# Allegro board S071AA-0413-20260427_Power3.brd (continued)
## Routing (per net, layer and track width the routed paths; a pad name or vN(x,y) marks a point on that pad's centre or on a via; arc(x,y) is an arc through that point) (continued)
200.12,76.2 ; D102.A16 200.93,75.39 ; D102.A16 201.74,76.2 ; 55.34,340.36 CSDPS429.C1 ; CSDPS429.C1 56.15,341.17 ; CSDPS429.C1 56.15,339.55 ; CSDPS429.C1 56.96,340.36 ; 162.02,93.98 D101.A1 ; D101.A1 162.83,93.17 ; D101.A1 162.83,94.79 ; D101.A1 163.64,93.98 ; 32.48,368.3 D231.B10 ; D231.B10 34.1,368.3 ; D231.B10 33.29,369.11 ; D231.B10 33.29,367.49 ; D111.A8 259.35,374.19 ; D111.A8 260.16,373.38 ; D111.A8 258.54,373.38 ; D111.A8 259.35,372.57 ; D121.B6 101.87,102.41 ; D121.B6 101.06,101.6 ; D121.B6 101.87,100.79 ; D121.B6 102.68,101.6 ; D111.B14 244.11,369.11 ; D111.B14 244.92,368.3 ; D111.B14 244.11,367.49 ; D111.B14 243.3,368.3 ; D122.B3 95.06,78.74 ; D122.B3 94.25,77.93 ; D122.B3 94.25,79.55 ; D122.B3 93.44,78.74 ; D110.B13 247.46,350.52 ; D110.B13 245.84,350.52 ; D110.B13 246.65,351.33 ; D110.B13 246.65,349.71 ; 53.61,55.07 D119.A16 ; D119.A16 53.61,56.69 ; D119.A16 52.8,55.88 ; D119.A16 54.42,55.88 ; D116.B8 185.69,389.43 ; D116.B8 184.88,388.62 ; D116.B8 186.5,388.62 ; D116.B8 185.69,387.81 ; 28.21,331.93 CSDPS229.B12 ; CSDPS229.B12 28.21,333.55 ; CSDPS229.B12 29.02,332.74 ; CSDPS229.B12 27.4,332.74 ; 90.9,393.7 D228.A16 ; D228.A16 91.71,392.89 ; D228.A16 91.71,394.51 ; D228.A16 92.52,393.7 ; D116.A12 175.53,394.51 ; D116.A12 174.72,393.7 ; D116.A12 175.53,392.89 ; D116.A12 176.34,393.7 ; 45.87,358.45 UHC430.G2_12 ; UHC430.G2_12 46.68,359.26 ; UHC430.G2_12 47.49,358.45 ; UHC430.G2_12 46.68,357.64 ; 28.21,100.79 D117.B6 ; D117.B6 29.02,101.6 ; D117.B6 27.4,101.6 ; D117.B6 28.21,102.41 ; 126.46,35.56 D124.A16 ; D124.A16 128.08,35.56 ; D124.A16 127.27,34.75 ; D124.A16 127.27,36.37 ; 271.24,16.51 DPS1.B15 ; DPS1.B15 272.05,15.7 ; DPS1.B15 272.05,17.32 ; DPS1.B15 272.86,16.51 ; D103.A9 183.15,54.15 ; D103.A9 182.34,53.34 ; D103.A9 183.96,53.34 ; D103.A9 183.15,52.53 ; D104.A3 168.72,33.02 ; D104.A3 167.1,33.02 ; D104.A3 167.91,32.21 ; D104.A3 167.91,33.83 ; D104.A14 195.85,36.37 ; D104.A14 195.85,34.75 ; D104.A14 196.66,35.56 ; D104.A14 195.04,35.56 ; CSDPS226.B10 107.76,353.06 ; CSDPS226.B10 106.95,352.25 ; CSDPS226.B10 106.14,353.06 ; CSDPS226.B10 106.95,353.87 ; 177.26,78.74 D102.B7 ; D102.B7 178.88,78.74 ; D102.B7 178.07,79.55 ; D102.B7 178.07,77.93 ; 51.07,395.43 D232.A3 ; D232.A3 51.07,397.05 ; D232.A3 51.88,396.24 ; D232.A3 50.26,396.24 ; 114.57,359.87 CSDPS426.C7 ; CSDPS426.C7 114.57,361.49 ; CSDPS426.C7 113.76,360.68 ; CSDPS426.C7 115.38,360.68 ; D118.B3 20.59,79.55 ; D118.B3 20.59,77.93 ; D118.B3 21.4,78.74 ; D118.B3 19.78,78.74 ; D124.A14 123,35.56 ; D124.A14 122.19,36.37 ; D124.A14 121.38,35.56 ; D124.A14 122.19,34.75 ; D115.A13 173.8,375.92 ; D115.A13 172.99,375.11 ; D115.A13 172.18,375.92 ; D115.A13 172.99,376.73 ; CSDPS226.B2 128.08,353.06 ; CSDPS226.B2 126.46,353.06 ; CSDPS226.B2 127.27,352.25 ; CSDPS226.B2 127.27,353.87 ; D232.B12 28.21,389.43 ; D232.B12 27.4,388.62 ; D232.B12 28.21,387.81 ; D232.B12 29.02,388.62 ; D123.A10 112.03,56.69 ; D123.A10 112.84,55.88 ; D123.A10 112.03,55.07 ; D123.A10 111.22,55.88 ; D110.A8 260.16,353.06 ; D110.A8 259.35,353.87 ; D110.A8 259.35,352.25 ; D110.A8 258.54,353.06 ; D121.A15 125.54,93.98 ; D121.A15 124.73,94.79 ; D121.A15 123.92,93.98 ; D121.A15 124.73,93.17 ; 190.77,39.83 D104.B12 ; D104.B12 191.58,40.64 ; D104.B12 190.77,41.45 ; D104.B12 189.96,40.64 ; D118.B4 23.13,82.09 ; D118.B4 22.32,81.28 ; D118.B4 23.13,80.47 ; D118.B4 23.94,81.28 ; D117.A2 18.05,97.33 ; D117.A2 18.05,95.71 ; D117.A2 18.86,96.52 ; D117.A2 17.24,96.52 ; 274.59,80.47 D106.B16 ; D106.B16 273.78,81.28 ; D106.B16 275.4,81.28 ; D106.B16 274.59,82.09 ; D103.B6 176.34,60.96 ; D103.B6 175.53,61.77 ; D103.B6 174.72,60.96 ; D103.B6 175.53,60.15 ; D427.A11 104.41,386.89 ; D427.A11 104.41,385.27 ; D427.A11 105.22,386.08 ; D427.A11 103.6,386.08 ; D114.A5 193.31,356.41 ; D114.A5 194.12,355.6 ; D114.A5 192.5,355.6 ; D114.A5 193.31,354.79 ; D118.B15 51.88,78.74 ; D118.B15 51.07,79.55 ; D118.B15 50.26,78.74 ; D118.B15 51.07,77.93 ; 16.07,355.29 UHC230.G4_2 ; UHC230.G4_2 16.88,354.48 ; UHC230.G4_2 16.88,356.1 ; UHC230.G4_2 17.69,355.29 ; 35.02,78.74 D118.B9 ; D118.B9 35.83,77.93 ; D118.B9 36.64,78.74 ; D118.B9 35.83,79.55 ; D106.A15 272.05,74.47 ; D106.A15 272.05,72.85 ; D106.A15 272.86,73.66 ; D106.A15 271.24,73.66 ; 18.05,377.65 D431.B16 ; D431.B16 18.86,378.46 ; D431.B16 18.05,379.27 ; D431.B16 17.24,378.46 ; D232.A6 43.45,394.51 ; D232.A6 43.45,392.89 ; D232.A6 42.64,393.7 ; D232.A6 44.26,393.7 ; 123.92,350.52 CSDPS226.C3 ; CSDPS226.C3 124.73,351.33 ; CSDPS226.C3 124.73,349.71 ; CSDPS226.C3 125.54,350.52 ; 165.37,60.15 D103.B2 ; D103.B2 166.18,60.96 ; D103.B2 165.37,61.77 ; D103.B2 164.56,60.96 ; 249.19,95.71 D105.A6 ; D105.A6 248.38,96.52 ; D105.A6 250,96.52 ; D105.A6 249.19,97.33 ; 200.12,393.7 D116.A2 ; D116.A2 200.93,394.51 ; D116.A2 200.93,392.89 ; D116.A2 201.74,393.7 ; 106.95,372.57 D227.A10 ; D227.A10 106.95,374.19 ; D227.A10 106.14,373.38 ; D227.A10 107.76,373.38 ; D117.A10 39.18,96.52 ; D117.A10 38.37,95.71 ; D117.A10 38.37,97.33 ; D117.A10 37.56,96.52 ; D112.B11 252.54,391.16 ; D112.B11 250.92,391.16 ; D112.B11 251.73,391.97 ; D112.B11 251.73,390.35 ; 113.76,330.2 CSDPS225.C7 ; CSDPS225.C7 114.57,331.01 ; CSDPS225.C7 114.57,329.39 ; CSDPS225.C7 115.38,330.2 ; D103.A14 195.85,56.69 ; D103.A14 195.04,55.88 ; D103.A14 195.85,55.07 ; D103.A14 196.66,55.88 ; D116.B6 191.58,388.62 ; D116.B6 189.96,388.62 ; D116.B6 190.77,387.81 ; D116.B6 190.77,389.43 ; 122.19,372.57 D227.A4 ; D227.A4 122.19,374.19 ; D227.A4 123,373.38 ; D227.A4 121.38,373.38 ; D103.A5 172.99,54.15 ; D103.A5 172.99,52.53 ; D103.A5 172.18,53.34 ; D103.A5 173.8,53.34 ; D119.A4 23.94,55.88 ; D119.A4 22.32,55.88 ; D119.A4 23.13,55.07 ; D119.A4 23.13,56.69 ; 29.94,406.4 D432.A11 ; D432.A11 30.75,405.59 ; D432.A11 31.56,406.4 ; D432.A11 30.75,407.21 ; D106.B1 237.3,78.74 ; D106.B1 236.49,77.93 ; D106.B1 236.49,79.55 ; D106.B1 235.68,78.74 ; D115.B7 189.04,370.84 ; D115.B7 188.23,370.03 ; D115.B7 187.42,370.84 ; D115.B7 188.23,371.65 ; 170.45,80.47 D102.B4 ; D102.B4 170.45,82.09 ; D102.B4 171.26,81.28 ; D102.B4 169.64,81.28 ; 48.53,75.39 D118.A14 ; D118.A14 49.34,76.2 ; D118.A14 48.53,77.01 ; D118.A14 47.72,76.2 ; 202.66,396.24 D116.A1 ; D116.A1 203.47,395.43 ; D116.A1 203.47,397.05 ; D116.A1 204.28,396.24 ; 96.79,387.81 D228.B14 ; D228.B14 95.98,388.62 ; D228.B14 97.6,388.62 ; D228.B14 96.79,389.43 ; D431.B15 20.59,381.81 ; D431.B15 19.78,381 ; D431.B15 20.59,380.19 ; D431.B15 21.4,381 ; D227.A14 96.79,374.19 ; D227.A14 95.98,373.38 ; D227.A14 97.6,373.38 ; D227.A14 96.79,372.57 ; D427.A17 89.98,386.08 ; D427.A17 89.17,385.27 ; D427.A17 89.17,386.89 ; D427.A17 88.36,386.08 ; D112.B6 264.43,389.43 ; D112.B6 263.62,388.62 ; D112.B6 264.43,387.81 ; D112.B6 265.24,388.62 ; 256,375.92 D111.A9 ; D111.A9 256.81,375.11 ; D111.A9 256.81,376.73 ; D111.A9 257.62,375.92 ; 182.34,99.06 D101.B9 ; D101.B9 183.15,99.87 ; D101.B9 183.96,99.06 ; D101.B9 183.15,98.25 ; 15.51,390.35 D232.B17 ; D232.B17 16.32,391.16 ; D232.B17 15.51,391.97 ; D232.B17 14.7,391.16 ; 32.48,96.52 D117.A8 ; D117.A8 34.1,96.52 ; D117.A8 33.29,97.33 ; D117.A8 33.29,95.71 ; D116.A16 165.37,394.51 ; D116.A16 164.56,393.7 ; D116.A16 166.18,393.7 ; D116.A16 165.37,392.89 ; D106.A5 246.65,74.47 ; D106.A5 246.65,72.85 ; D106.A5 245.84,73.66 ; D106.A5 247.46,73.66 ; DPS8.A01 56.15,416.1 ; DPS8.A01 56.96,415.29 ; DPS8.A01 56.15,414.48 ; DPS8.A01 55.34,415.29 ; 19.78,93.98 D117.A3 ; D117.A3 21.4,93.98 ; D117.A3 20.59,93.17 ; D117.A3 20.59,94.79 ; D121.A11 114.57,94.79 ; D121.A11 115.38,93.98 ; D121.A11 113.76,93.98 ; D121.A11 114.57,93.17 ; D428.A7 115.38,406.4 ; D428.A7 113.76,406.4 ; D428.A7 114.57,407.21 ; D428.A7 114.57,405.59 ; 30.75,52.53 D119.A7 ; D119.A7 29.94,53.34 ; D119.A7 31.56,53.34 ; D119.A7 30.75,54.15 ; 20.59,414.48 DPS8.A15 ; DPS8.A15 19.78,415.29 ; DPS8.A15 21.4,415.29 ; DPS8.A15 20.59,416.1 ; D232.A16 18.86,393.7 ; D232.A16 18.05,394.51 ; D232.A16 18.05,392.89 ; D232.A16 17.24,393.7 ; 243.3,55.88 D107.A4 ; D107.A4 244.11,56.69 ; D107.A4 244.92,55.88 ; D107.A4 244.11,55.07 ; 183.15,329.39 D113.B9 ; D113.B9 182.34,330.2 ; D113.B9 183.96,330.2 ; D113.B9 183.15,331.01 ; D122.A16 127.27,77.01 ; D122.A16 126.46,76.2 ; D122.A16 127.27,75.39 ; D122.A16 128.08,76.2 ; CSDPS425.B6 117.92,342.9 ; CSDPS425.B6 117.11,342.09 ; CSDPS425.B6 117.11,343.71 ; CSDPS425.B6 116.3,342.9 ; CSDPS229.C5 45.99,331.01 ; CSDPS229.C5 46.8,330.2 ; CSDPS229.C5 45.99,329.39 ; CSDPS229.C5 45.18,330.2 ; D228.A11 104.41,397.05 ; D228.A11 105.22,396.24 ; D228.A11 104.41,395.43 ; D228.A11 103.6,396.24 ; D101.B15 198.39,99.87 ; D101.B15 199.2,99.06 ; D101.B15 198.39,98.25 ; D101.B15 197.58,99.06 ; 266.97,375.11 D111.A5 ; D111.A5 266.97,376.73 ; D111.A5 266.16,375.92 ; D111.A5 267.78,375.92 ; 89.17,395.43 D228.A17 ; D228.A17 88.36,396.24 ; D228.A17 89.17,397.05 ; D228.A17 89.98,396.24 ; 165.37,331.93 D113.A16 ; D113.A16 164.56,332.74 ; D113.A16 166.18,332.74 ; D113.A16 165.37,333.55 ; 129.81,370.03 D227.B1 ; D227.B1 129,370.84 ; D227.B1 130.62,370.84 ; D227.B1 129.81,371.65 ; 241.57,395.43 D112.A15 ; D112.A15 241.57,397.05 ; D112.A15 242.38,396.24 ; D112.A15 240.76,396.24 ; 43.57,355.29 UHC230.G3_3 ; UHC230.G3_3 44.38,356.1 ; UHC230.G3_3 45.19,355.29 ; UHC230.G3_3 44.38,354.48 ; D103.B12 191.58,60.96 ; D103.B12 190.77,60.15 ; D103.B12 189.96,60.96 ; D103.B12 190.77,61.77 ; 273.78,40.64 D108.B16 ; D108.B16 274.59,41.45 ; D108.B16 275.4,40.64 ; D108.B16 274.59,39.83 ; D114.A12 176.34,353.06 ; D114.A12 175.53,352.25 ; D114.A12 175.53,353.87 ; D114.A12 174.72,353.06 ; D109.B10 254.27,328.47 ; D109.B10 255.08,327.66 ; D109.B10 253.46,327.66 ; D109.B10 254.27,326.85 ; UHC430.G2_13 45.19,358.45 ; UHC430.G2_13 44.38,357.64 ; UHC430.G2_13 43.57,358.45 ; UHC430.G2_13 44.38,359.26 ; 254.27,367.49 D111.B10 ; D111.B10 253.46,368.3 ; D111.B10 255.08,368.3 ; D111.B10 254.27,369.11 ; D104.A13 194.12,33.02 ; D104.A13 193.31,33.83 ; D104.A13 192.5,33.02 ; D104.A13 193.31,32.21 ; D107.A10 259.35,56.69 ; D107.A10 259.35,55.07 ; D107.A10 258.54,55.88 ; D107.A10 260.16,55.88 ; D116.A10 180.61,394.51 ; D116.A10 180.61,392.89 ; D116.A10 179.8,393.7 ; D116.A10 181.42,393.7 ; D106.B4 244.92,81.28 ; D106.B4 243.3,81.28 ; D106.B4 244.11,82.09 ; D106.B4 244.11,80.47 ; CSDPS225.B8 112.03,333.55 ; CSDPS225.B8 112.03,331.93 ; CSDPS225.B8 112.84,332.74 ; CSDPS225.B8 111.22,332.74 ; D116.B5 194.12,391.16 ; D116.B5 193.31,391.97 ; D116.B5 193.31,390.35 ; D116.B5 192.5,391.16 ; D115.A2 200.93,374.19 ; D115.A2 200.12,373.38 ; D115.A2 201.74,373.38 ; D115.A2 200.93,372.57 ; CSDPS225.B2 128.08,332.74 ; CSDPS225.B2 126.46,332.74 ; CSDPS225.B2 127.27,331.93 ; CSDPS225.B2 127.27,333.55 ; D112.A11 251.73,397.05 ; D112.A11 251.73,395.43 ; D112.A11 250.92,396.24 ; D112.A11 252.54,396.24 ; CSDPS225.C9 109.49,331.01 ; CSDPS225.C9 108.68,330.2 ; CSDPS225.C9 109.49,329.39 ; CSDPS225.C9 110.3,330.2 ; D227.A17 89.17,376.73 ; D227.A17 89.17,375.11 ; D227.A17 89.98,375.92 ; D227.A17 88.36,375.92 ; D106.B2 239.84,81.28 ; D106.B2 239.03,80.47 ; D106.B2 239.03,82.09 ; D106.B2 238.22,81.28 ; 33.29,387.81 D232.B10 ; D232.B10 32.48,388.62 ; D232.B10 34.1,388.62 ; D232.B10 33.29,389.43 ; 94.25,405.59 D428.A15 ; D428.A15 95.06,406.4 ; D428.A15 93.44,406.4 ; D428.A15 94.25,407.21 ; D231.B15 20.59,371.65 ; D231.B15 19.78,370.84 ; D231.B15 21.4,370.84 ; D231.B15 20.59,370.03 ; D123.B9 110.3,58.42 ; D123.B9 109.49,59.23 ; D123.B9 109.49,57.61 ; D123.B9 108.68,58.42 ; 236.49,98.25 D105.B1 ; D105.B1 236.49,99.87 ; D105.B1 237.3,99.06 ; D101.A5 172.99,94.79 ; D101.A5 173.8,93.98 ; D101.A5 172.99,93.17 ; D101.A5 172.18,93.98 ; 93.44,340.36 CSDPS425.C15 ; CSDPS425.C15 95.06,340.36 ; CSDPS425.C15 94.25,341.17 ; CSDPS425.C15 94.25,339.55 ; D111.B7 262.7,370.84 ; D111.B7 261.89,371.65 ; D111.B7 261.89,370.03 ; D111.B7 261.08,370.84 ; D428.B2 128.08,398.78 ; D428.B2 126.46,398.78 ; D428.B2 127.27,399.59 ; D428.B2 127.27,397.97 ; 101.06,60.96 D123.B6 ; D123.B6 101.87,60.15 ; D123.B6 102.68,60.96 ; D123.B6 101.87,61.77 ; 14.92,363.7 UHC430.G1_5 ; UHC430.G1_5 16.54,363.7 ; UHC430.G1_5 15.73,362.89 ; UHC430.G1_5 15.73,364.51 ; 37.56,81.28 D118.B10 ; D118.B10 38.37,80.47 ; D118.B10 39.18,81.28 ; D118.B10 38.37,82.09 ; D427.B9 109.49,381.81 ; D427.B9 109.49,380.19 ; D427.B9 110.3,381 ; D427.B9 108.68,381 ; 95.98,60.96 D123.B4 ; D123.B4 97.6,60.96 ; D123.B4 96.79,60.15 ; D123.B4 96.79,61.77 ; 269.51,331.93 D109.A4 ; D109.A4 270.32,332.74 ; D109.A4 269.51,333.55 ; D109.A4 268.7,332.74 ; D228.A7 115.38,396.24 ; D228.A7 114.57,395.43 ; D228.A7 114.57,397.05 ; D228.A7 113.76,396.24 ; D101.A9 183.96,93.98 ; D101.A9 183.15,94.79 ; D101.A9 183.15,93.17 ; D101.A9 182.34,93.98 ; CSDPS426.B8 112.03,364.03 ; CSDPS426.B8 112.03,362.41 ; CSDPS426.B8 111.22,363.22 ; CSDPS426.B8 112.84,363.22 ; D120.A15 51.88,33.02 ; D120.A15 50.26,33.02 ; D120.A15 51.07,33.83 ; D120.A15 51.07,32.21 ; D427.A5 120.46,386.08 ; D427.A5 119.65,385.27 ; D427.A5 118.84,386.08 ; D427.A5 119.65,386.89 ; D119.B11 40.91,59.23 ; D119.B11 40.1,58.42 ; D119.B11 41.72,58.42 ; D119.B11 40.91,57.61 ; 244.11,75.39 D106.A4 ; D106.A4 244.92,76.2 ; D106.A4 244.11,77.01 ; D106.A4 243.3,76.2 ; D227.A6 117.92,373.38 ; D227.A6 117.11,374.19 ; D227.A6 117.11,372.57 ; D227.A6 116.3,373.38 ; D231.A17 15.51,376.73 ; D231.A17 15.51,375.11 ; D231.A17 16.32,375.92 ; D231.A17 14.7,375.92 ; 200.12,101.6 D101.B16 ; D101.B16 201.74,101.6 ; D101.B16 200.93,102.41 ; D101.B16 200.93,100.79 ; 245.84,396.24 D112.A13 ; D112.A13 247.46,396.24 ; D112.A13 246.65,397.05 ; D112.A13 246.65,395.43 ; D118.B6 29.02,81.28 ; D118.B6 27.4,81.28 ; D118.B6 28.21,80.47 ; D118.B6 28.21,82.09 ; 261.89,98.25 D105.B11 ; D105.B11 261.89,99.87 ; D105.B11 261.08,99.06 ; D105.B11 262.7,99.06 ; 200.12,60.96 D103.B16 ; D103.B16 201.74,60.96 ; D103.B16 200.93,61.77 ; D103.B16 200.93,60.15 ; D104.B9 183.96,38.1 ; D104.B9 182.34,38.1 ; D104.B9 183.15,38.91 ; D104.B9 183.15,37.29 ; 42.64,398.78 D432.B6 ; D432.B6 43.45,399.59 ; D432.B6 44.26,398.78 ; D432.B6 43.45,397.97 ; CSDPS429.C9 35.83,341.17 ; CSDPS429.C9 36.64,340.36 ; CSDPS429.C9 35.02,340.36 ; CSDPS429.C9 35.83,339.55 ; 182.34,33.02 D104.A9 ; D104.A9 183.15,32.21 ; D104.A9 183.96,33.02 ; D104.A9 183.15,33.83 ; D113.B7 189.04,330.2 ; D113.B7 188.23,331.01 ; D113.B7 187.42,330.2 ; D113.B7 188.23,329.39 ; 40.1,396.24 D232.A7 ; D232.A7 40.91,397.05 ; D232.A7 40.91,395.43 ; D232.A7 41.72,396.24 ; D114.A2 200.93,353.87 ; D114.A2 200.93,352.25 ; D114.A2 201.74,353.06 ; D114.A2 200.12,353.06 ; D428.A8 112.03,404.67 ; D428.A8 112.84,403.86 ; D428.A8 111.22,403.86 ; D428.A8 112.03,403.05 ; 91.71,372.57 D227.A16 ; D227.A16 90.9,373.38 ; D227.A16 91.71,374.19 ; D227.A16 92.52,373.38 ; D110.B9 257.62,350.52 ; D110.B9 256.81,349.71 ; D110.B9 256,350.52 ; D110.B9 256.81,351.33 ; D115.B5 194.12,370.84 ; D115.B5 193.31,371.65 ; D115.B5 193.31,370.03 ; D115.B5 192.5,370.84 ; 184.88,81.28 D102.B10 ; D102.B10 185.69,82.09 ; D102.B10 186.5,81.28 ; D102.B10 185.69,80.47 ; 190.77,331.93 D113.A6 ; D113.A6 189.96,332.74 ; D113.A6 191.58,332.74 ; D113.A6 190.77,333.55 ; D113.A3 199.2,335.28 ; D113.A3 197.58,335.28 ; D113.A3 198.39,336.09 ; D113.A3 198.39,334.47 ; CSDPS425.B10 106.95,343.71 ; CSDPS425.B10 106.95,342.09 ; CSDPS425.B10 107.76,342.9 ; CSDPS425.B10 106.14,342.9 ; D110.B4 270.32,347.98 ; D110.B4 269.51,347.17 ; D110.B4 269.51,348.79 ; D110.B4 268.7,347.98 ; D431.B7 40.91,381.81 ; D431.B7 40.91,380.19 ; D431.B7 40.1,381 ; D431.B7 41.72,381 ; 45.99,370.03 D231.B5 ; D231.B5 46.8,370.84 ; D231.B5 45.99,371.65 ; D231.B5 45.18,370.84 ; 43.57,361.95 UHC430.G2_8 ; UHC430.G2_8 44.38,361.14 ; UHC430.G2_8 44.38,362.76 ; UHC430.G2_8 45.19,361.95 ; D116.B9 183.96,391.16 ; D116.B9 183.15,391.97 ; D116.B9 183.15,390.35 ; D116.B9 182.34,391.16 ; 240.76,78.74 D106.B3 ; D106.B3 241.57,77.93 ; D106.B3 242.38,78.74 ; D106.B3 241.57,79.55 ; 40.91,98.25 D117.B11 ; D117.B11 41.72,99.06 ; D117.B11 40.1,99.06 ; D117.B11 40.91,99.87 ; D120.B5 26.48,38.1 ; D120.B5 24.86,38.1 ; D120.B5 25.67,38.91 ; D120.B5 25.67,37.29 ; 95.98,342.9 CSDPS425.B14 ; CSDPS425.B14 96.79,343.71 ; CSDPS425.B14 97.6,342.9 ; CSDPS425.B14 96.79,342.09 ; 180.61,75.39 D102.A8 ; D102.A8 181.42,76.2 ; D102.A8 180.61,77.01 ; D102.A8 179.8,76.2 ; 56.15,390.35 D232.B1 ; D232.B1 56.15,391.97 ; D232.B1 55.34,391.16 ; D232.B1 56.96,391.16 ; D431.A4 48.53,384.35 ; D431.A4 48.53,382.73 ; D431.A4 49.34,383.54 ; D431.A4 47.72,383.54 ; D110.A12 249.19,353.87 ; D110.A12 248.38,353.06 ; D110.A12 250,353.06 ; D110.A12 249.19,352.25 ; 109.49,72.85 D122.A9 ; D122.A9 108.68,73.66 ; D122.A9 110.3,73.66 ; D122.A9 109.49,74.47 ; D124.A15 124.73,33.83 ; D124.A15 125.54,33.02 ; D124.A15 124.73,32.21 ; D124.A15 123.92,33.02 ; D124.A7 104.41,33.83 ; D124.A7 104.41,32.21 ; D124.A7 103.6,33.02 ; D124.A7 105.22,33.02 ; 45.99,98.25 D117.B13 ; D117.B13 45.99,99.87 ; D117.B13 45.18,99.06 ; D231.B11 31.56,370.84 ; D231.B11 30.75,371.65 ; D231.B11 30.75,370.03 ; D231.B11 29.94,370.84 ; D428.A10 106.95,404.67 ; D428.A10 106.14,403.86 ; D428.A10 107.76,403.86 ; D428.A10 106.95,403.05 ; D109.B8 259.35,328.47 ; D109.B8 259.35,326.85 ; D109.B8 258.54,327.66 ; D109.B8 260.16,327.66 ; D104.A6 175.53,36.37 ; D104.A6 174.72,35.56 ; D104.A6 175.53,34.75 ; D104.A6 176.34,35.56 ; DPS3.C05 99.33,19.86 ; DPS3.C05 100.14,19.05 ; DPS3.C05 98.52,19.05 ; DPS3.C05 99.33,18.24 ; CSDPS229.B8 38.37,333.55 ; CSDPS229.B8 38.37,331.93 ; CSDPS229.B8 37.56,332.74 ; CSDPS229.B8 39.18,332.74 ; 261.89,334.47 D109.A7 ; D109.A7 261.08,335.28 ; D109.A7 262.7,335.28 ; D109.A7 261.89,336.09 ; 273.78,60.96 D107.B16 ; D107.B16 275.4,60.96 ; D107.B16 274.59,60.15 ; D107.B16 274.59,61.77 ; 38.37,382.73 D431.A8 ; D431.A8 39.18,383.54 ; D431.A8 37.56,383.54 ; D431.A8 38.37,384.35 ; D232.B16 18.86,388.62 ; D232.B16 17.24,388.62 ; D232.B16 18.05,389.43 ; D232.B16 18.05,387.81 ; D120.A7 31.56,33.02 ; D120.A7 29.94,33.02 ; D120.A7 30.75,32.21 ; D120.A7 30.75,33.83 ; D228.B8 112.03,389.43 ; D228.B8 112.03,387.81 ; D228.B8 111.22,388.62 ; D228.B8 112.84,388.62 ; D431.B13 26.48,381 ; D431.B13 24.86,381 ; D431.B13 25.67,381.81 ; D431.B13 25.67,380.19 ; D431.A12 29.02,383.54 ; D431.A12 28.21,384.35 ; D431.A12 27.4,383.54 ; D431.A12 28.21,382.73 ; 124.73,18.24 DPS3.C15 ; DPS3.C15 123.92,19.05 ; DPS3.C15 125.54,19.05 ; DPS3.C15 124.73,19.86 ; D109.B13 247.46,330.2 ; D109.B13 246.65,331.01 ; D109.B13 245.84,330.2 ; D109.B13 246.65,329.39 ; D428.B1 130.62,401.32 ; D428.B1 129,401.32 ; D428.B1 129.81,400.51 ; D428.B1 129.81,402.13 ; D428.B4 122.19,399.59 ; D428.B4 122.19,397.97 ; D428.B4 123,398.78 ; D428.B4 121.38,398.78
  L04_DGND w0.203: 117.11,80.47 D122.B12 ; D122.B12 117.11,82.09 ; D122.B12 116.3,81.28 ; D122.B12 117.92,81.28 ; D108.B1 237.3,38.1 ; D108.B1 235.68,38.1 ; D108.B1 236.49,37.29 ; D108.B1 236.49,38.91 ; D432.A1 56.96,406.4 ; D432.A1 56.15,407.21 ; D432.A1 56.15,405.59 ; D432.A1 55.34,406.4 ; D427.A16 92.52,383.54 ; D427.A16 91.71,384.35 ; D427.A16 91.71,382.73 ; D427.A16 90.9,383.54 ; 124.73,380.19 D427.B3 ; D427.B3 123.92,381 ; D427.B3 125.54,381 ; D427.B3 124.73,381.81 ; D104.B7 178.88,38.1 ; D104.B7 178.07,37.29 ; D104.B7 178.07,38.91 ; D104.B7 177.26,38.1 ; D123.A11 114.57,54.15 ; D123.A11 115.38,53.34 ; D123.A11 114.57,52.53 ; D123.A11 113.76,53.34 ; 256,58.42 D107.B9 ; D107.B9 256.81,59.23 ; D107.B9 256.81,57.61 ; D107.B9 257.62,58.42 ; 250.92,38.1 D108.B7 ; D108.B7 251.73,37.29 ; D108.B7 252.54,38.1 ; D108.B7 251.73,38.91 ; D112.B14 244.92,388.62 ; D112.B14 244.11,387.81 ; D112.B14 244.11,389.43 ; D112.B14 243.3,388.62 ; D116.A10 181.42,393.7 ; D116.A10 180.61,394.51 ; D116.A10 180.61,392.89 ; D116.A10 179.8,393.7 ; 51.07,72.85 D118.A15 ; D118.A15 50.26,73.66 ; D118.A15 51.88,73.66 ; D118.A15 51.07,74.47 ; D105.B9 256.81,99.87 ; D105.B9 256,99.06 ; D105.B9 257.62,99.06 ; D105.B9 256.81,98.25 ; D112.A10 255.08,393.7 ; D112.A10 254.27,392.89 ; D112.A10 254.27,394.51 ; D112.A10 253.46,393.7 ; 40.1,370.84 D231.B7 ; D231.B7 40.91,370.03 ; D231.B7 40.91,371.65 ; D231.B7 41.72,370.84 ; D427.B4 123,378.46 ; D427.B4 121.38,378.46 ; D427.B4 122.19,377.65 ; D427.B4 122.19,379.27 ; CSDPS226.B12 102.68,353.06 ; CSDPS226.B12 101.06,353.06 ; CSDPS226.B12 101.87,352.25 ; CSDPS226.B12 101.87,353.87 ; D227.B1 130.62,370.84 ; D227.B1 129.81,371.65 ; D227.B1 129,370.84 ; D227.B1 129.81,370.03 ; D431.B11 31.56,381 ; D431.B11 30.75,381.81 ; D431.B11 30.75,380.19 ; D431.B11 29.94,381 ; D106.A2 239.03,77.01 ; D106.A2 239.03,75.39 ; D106.A2 238.22,76.2 ; D106.A2 239.84,76.2 ; 174.72,327.66 D113.B12 ; D113.B12 175.53,326.85 ; D113.B12 175.53,328.47 ; D113.B12 176.34,327.66 ; 187.42,58.42 D103.B11 ; D103.B11 189.04,58.42 ; D103.B11 188.23,57.61 ; D103.B11 188.23,59.23 ; 268.7,353.06 D110.A4 ; D110.A4 270.32,353.06 ; D110.A4 269.51,353.87 ; D110.A4 269.51,352.25 ; D120.B16 54.42,40.64 ; D120.B16 53.61,41.45 ; D120.B16 52.8,40.64 ; D120.B16 53.61,39.83 ; 53.61,34.75 D120.A16 ; D120.A16 53.61,36.37 ; D120.A16 54.42,35.56 ; D120.A16 52.8,35.56 ; CSDPS426.B10 107.76,363.22 ; CSDPS426.B10 106.95,362.41 ; CSDPS426.B10 106.14,363.22 ; CSDPS426.B10 106.95,364.03 ; D119.B8 33.29,61.77 ; D119.B8 33.29,60.15 ; D119.B8 34.1,60.96 ; D119.B8 32.48,60.96 ; D102.A15 198.39,74.47 ; D102.A15 199.2,73.66 ; D102.A15 197.58,73.66 ; D102.A15 198.39,72.85 ; 17.22,353.54 UHC230.G4_4 ; UHC230.G4_4 18.84,353.54 ; UHC230.G4_4 18.03,352.73 ; UHC230.G4_4 18.03,354.35 ; D105.A4 244.92,96.52 ; D105.A4 243.3,96.52 ; D105.A4 244.11,97.33 ; D105.A4 244.11,95.71 ; 42.64,378.46 D431.B6 ; D431.B6 43.45,377.65 ; D431.B6 44.26,378.46 ; D431.B6 43.45,379.27 ; D113.A9 183.15,336.09 ; D113.A9 183.15,334.47 ; D113.A9 183.96,335.28 ; D113.A9 182.34,335.28 ; 274.59,326.85 D109.B2 ; D109.B2 274.59,328.47 ; D109.B2 275.4,327.66 ; D109.B2 273.78,327.66 ; 55.34,340.36 CSDPS429.C1 ; CSDPS429.C1 56.96,340.36 ; CSDPS429.C1 56.15,341.17 ; CSDPS429.C1 56.15,339.55 ; 13.77,358.45 UHC430.G1_13 ; UHC430.G1_13 15.39,358.45 ; UHC430.G1_13 14.58,359.26 ; UHC430.G1_13 14.58,357.64 ; D432.A17 16.32,406.4 ; D432.A17 15.51,405.59 ; D432.A17 14.7,406.4 ; D432.A17 15.51,407.21 ; D428.A16 92.52,403.86 ; D428.A16 91.71,404.67 ; D428.A16 91.71,403.05 ; D428.A16 90.9,403.86 ; D427.B17 89.17,381.81 ; D427.B17 89.98,381 ; D427.B17 89.17,380.19 ; D427.B17 88.36,381 ; 195.04,332.74 D113.A4 ; D113.A4 195.85,331.93 ; D113.A4 195.85,333.55 ; D113.A4 196.66,332.74 ; 266.16,370.84 D111.B5 ; D111.B5 267.78,370.84 ; D111.B5 266.97,370.03 ; D111.B5 266.97,371.65 ; D105.A11 262.7,93.98 ; D105.A11 261.89,93.17 ; D105.A11 261.89,94.79 ; D105.A11 261.08,93.98 ; 37.56,60.96 D119.B10 ; D119.B10 39.18,60.96 ; D119.B10 38.37,61.77 ; D119.B10 38.37,60.15 ; 241.57,93.17 D105.A3 ; D105.A3 242.38,93.98 ; D105.A3 241.57,94.79 ; D105.A3 240.76,93.98 ; D102.A2 165.37,77.01 ; D102.A2 166.18,76.2 ; D102.A2 164.56,76.2 ; D102.A2 165.37,75.39 ; D104.A5 173.8,33.02 ; D104.A5 172.18,33.02 ; D104.A5 172.99,33.83 ; D104.A5 172.99,32.21 ; D231.B10 34.1,368.3 ; D231.B10 33.29,367.49 ; D231.B10 32.48,368.3 ; D231.B10 33.29,369.11 ; 175.53,80.47 D102.B6 ; D102.B6 174.72,81.28 ; D102.B6 176.34,81.28 ; D102.B6 175.53,82.09 ; D232.B12 28.21,389.43 ; D232.B12 28.21,387.81 ; D232.B12 29.02,388.62 ; D232.B12 27.4,388.62 ; D232.A14 23.94,393.7 ; D232.A14 23.13,392.89 ; D232.A14 22.32,393.7 ; D232.A14 23.13,394.51 ; 268.7,35.56 D108.A14 ; D108.A14 270.32,35.56 ; D108.A14 269.51,34.75 ; D108.A14 269.51,36.37 ; 271.24,58.42 D107.B15 ; D107.B15 272.86,58.42 ; D107.B15 272.05,57.61 ; D107.B15 272.05,59.23 ; 276.32,350.52 D110.B1 ; D110.B1 277.13,351.33 ; D110.B1 277.13,349.71 ; D110.B1 277.94,350.52 ; 271.24,355.6 D110.A3 ; D110.A3 272.05,354.79 ; D110.A3 272.05,356.41 ; D110.A3 272.86,355.6 ; D120.B10 38.37,41.45 ; D120.B10 37.56,40.64 ; D120.B10 38.37,39.83 ; D120.B10 39.18,40.64 ; DPS3.A11 115.38,13.97 ; DPS3.A11 114.57,14.78 ; DPS3.A11 114.57,13.16 ; DPS3.A11 113.76,13.97 ; 45.99,339.55 CSDPS429.C5 ; CSDPS429.C5 45.99,341.17 ; CSDPS429.C5 46.8,340.36 ; CSDPS429.C5 45.18,340.36 ; D115.A3 199.2,375.92 ; D115.A3 197.58,375.92 ; D115.A3 198.39,375.11 ; D115.A3 198.39,376.73 ; 20.59,380.19 D431.B15 ; D431.B15 19.78,381 ; D431.B15 20.59,381.81 ; D431.B15 21.4,381 ; D124.A9 109.49,33.83 ; D124.A9 108.68,33.02 ; D124.A9 109.49,32.21 ; D124.A9 110.3,33.02 ; 45.18,381 D431.B5 ; D431.B5 45.99,381.81 ; D431.B5 46.8,381 ; D431.B5 45.99,380.19 ; D104.B2 166.18,40.64 ; D104.B2 165.37,41.45 ; D104.B2 165.37,39.83 ; D104.B2 164.56,40.64 ; 277.13,354.79 D110.A1 ; D110.A1 277.94,355.6 ; D110.A1 277.13,356.41 ; D110.A1 276.32,355.6 ; 88.36,78.74 D122.B1 ; D122.B1 89.98,78.74 ; D122.B1 89.17,79.55 ; D122.B1 89.17,77.93 ; 254.27,100.79 D105.B8 ; D105.B8 254.27,102.41 ; D105.B8 255.08,101.6 ; D105.B8 253.46,101.6 ; D106.A14 269.51,77.01 ; D106.A14 270.32,76.2 ; D106.A14 269.51,75.39 ; D106.A14 268.7,76.2 ; D232.B8 39.18,388.62 ; D232.B8 38.37,389.43 ; D232.B8 37.56,388.62 ; D232.B8 38.37,387.81 ; 113.76,370.84 D227.B7 ; D227.B7 114.57,370.03 ; D227.B7 114.57,371.65 ; D227.B7 115.38,370.84 ; D120.B2 18.05,41.45 ; D120.B2 18.86,40.64 ; D120.B2 17.24,40.64 ; D120.B2 18.05,39.83 ; 19.78,58.42 D119.B3 ; D119.B3 20.59,59.23 ; D119.B3 21.4,58.42 ; D119.B3 20.59,57.61 ; CSDPS425.B14 97.6,342.9 ; CSDPS425.B14 96.79,342.09 ; CSDPS425.B14 95.98,342.9 ; CSDPS425.B14 96.79,343.71 ; D121.A5 99.33,94.79 ; D121.A5 99.33,93.17 ; D121.A5 100.14,93.98 ; D121.A5 98.52,93.98 ; 95.98,55.88 D123.A4 ; D123.A4 97.6,55.88 ; D123.A4 96.79,56.69 ; D123.A4 96.79,55.07 ; DPS3.C05 99.33,19.86 ; DPS3.C05 98.52,19.05 ; DPS3.C05 99.33,18.24 ; DPS3.C05 100.14,19.05 ; D115.A16 165.37,374.19 ; D115.A16 166.18,373.38 ; D115.A16 164.56,373.38 ; D115.A16 165.37,372.57 ; 117.11,367.49 D227.B6 ; D227.B6 117.11,369.11 ; D227.B6 117.92,368.3 ; D227.B6 116.3,368.3 ; D107.A11 261.89,54.15 ; D107.A11 261.08,53.34 ; D107.A11 262.7,53.34 ; D107.A11 261.89,52.53 ; 19.78,73.66 D118.A3 ; D118.A3 20.59,74.47 ; D118.A3 21.4,73.66 ; D118.A3 20.59,72.85 ; 109.49,400.51 D428.B9 ; D428.B9 109.49,402.13 ; D428.B9 108.68,401.32 ; D428.B9 110.3,401.32 ; CSDPS426.C11 104.41,361.49 ; CSDPS426.C11 105.22,360.68 ; CSDPS426.C11 103.6,360.68 ; CSDPS426.C11 104.41,359.87 ; D124.B14 123,40.64 ; D124.B14 121.38,40.64 ; D124.B14 122.19,41.45 ; D124.B14 122.19,39.83 ; 258.54,388.62 D112.B8 ; D112.B8 259.35,389.43 ; D112.B8 259.35,387.81 ; D112.B8 260.16,388.62 ; D231.A8 39.18,373.38 ; D231.A8 38.37,372.57 ; D231.A8 37.56,373.38 ; D231.A8 38.37,374.19 ; 259.35,60.15 D107.B10 ; D107.B10 259.35,61.77 ; D107.B10 258.54,60.96 ; D107.B10 260.16,60.96 ; D431.A17 15.51,386.89 ; D431.A17 16.32,386.08 ; D431.A17 14.7,386.08 ; D431.A17 15.51,385.27 ; D111.A7 261.89,376.73 ; D111.A7 262.7,375.92 ; D111.A7 261.08,375.92 ; D111.A7 261.89,375.11 ; UHC230.G4_6 19.18,352.6 ; UHC230.G4_6 18.37,351.79 ; UHC230.G4_6 19.18,350.98 ; UHC230.G4_6 19.99,351.79 ; D108.B6 250,40.64 ; D108.B6 249.19,39.83 ; D108.B6 248.38,40.64 ; D108.B6 249.19,41.45 ; D116.B8 186.5,388.62 ; D116.B8 185.69,389.43 ; D116.B8 184.88,388.62 ; D116.B8 185.69,387.81 ; 167.1,412.75 DPS2.B15 ; DPS2.B15 168.72,412.75 ; DPS2.B15 167.91,411.94 ; DPS2.B15 167.91,413.56 ; 29.94,391.16 D232.B11 ; D232.B11 31.56,391.16 ; D232.B11 30.75,391.97 ; D232.B11 30.75,390.35 ; D104.A7 178.88,33.02 ; D104.A7 178.07,32.21 ; D104.A7 177.26,33.02 ; D104.A7 178.07,33.83 ; D119.A2 18.86,55.88 ; D119.A2 18.05,56.69 ; D119.A2 17.24,55.88 ; D119.A2 18.05,55.07 ; D427.B11 104.41,381.81 ; D427.B11 103.6,381 ; D427.B11 105.22,381 ; D427.B11 104.41,380.19 ; D431.B9 36.64,381 ; D431.B9 35.02,381 ; D431.B9 35.83,380.19 ; D431.B9 35.83,381.81 ; D432.B2 54.42,398.78 ; D432.B2 53.61,397.97 ; D432.B2 52.8,398.78 ; D432.B2 53.61,399.59 ; 268.7,81.28 D106.B14 ; D106.B14 269.51,82.09 ; D106.B14 270.32,81.28 ; D106.B14 269.51,80.47 ; 121.38,363.22 CSDPS426.B4 ; CSDPS426.B4 122.19,362.41 ; CSDPS426.B4 123,363.22 ; CSDPS426.B4 122.19,364.03 ; 43.45,55.07 D119.A12 ; D119.A12 42.64,55.88 ; D119.A12 43.45,56.69 ; D119.A12 44.26,55.88 ; D428.A3 125.54,406.4 ; D428.A3 124.73,405.59 ; D428.A3 123.92,406.4 ; D428.A3 124.73,407.21 ; DPS2.A11 178.88,415.29 ; DPS2.A11 177.26,415.29 ; DPS2.A11 178.07,416.1 ; DPS2.A11 178.07,414.48 ; D109.A3 272.86,335.28 ; D109.A3 272.05,336.09 ; D109.A3 271.24,335.28 ; D109.A3 272.05,334.47 ; D115.A10 180.61,374.19 ; D115.A10 181.42,373.38 ; D115.A10 179.8,373.38 ; D115.A10 180.61,372.57 ; D106.A4 244.92,76.2 ; D106.A4 243.3,76.2 ; D106.A4 244.11,77.01 ; D106.A4 244.11,75.39 ; 273.78,35.56 D108.A16 ; D108.A16 274.59,34.75 ; D108.A16 275.4,35.56 ; D108.A16 274.59,36.37 ; UHC230.G4_2 17.69,355.29 ; UHC230.G4_2 16.07,355.29 ; UHC230.G4_2 16.88,354.48 ; UHC230.G4_2 16.88,356.1 ; 28.21,367.49 D231.B12 ; D231.B12 27.4,368.3 ; D231.B12 29.02,368.3 ; D231.B12 28.21,369.11 ; D105.A6 250,96.52 ; D105.A6 248.38,96.52 ; D105.A6 249.19,97.33 ; D105.A6 249.19,95.71 ; D112.B3 272.05,391.97 ; D112.B3 272.05,390.35 ; D112.B3 272.86,391.16 ; D112.B3 271.24,391.16 ; D101.A15 199.2,93.98 ; D101.A15 198.39,93.17 ; D101.A15 198.39,94.79 ; D101.A15 197.58,93.98 ; D228.A4 123,393.7 ; D228.A4 122.19,392.89 ; D228.A4 122.19,394.51 ; D228.A4 121.38,393.7 ; 271.24,370.84 D111.B3 ; D111.B3 272.86,370.84 ; D111.B3 272.05,371.65 ; D111.B3 272.05,370.03 ; DPS3.A01 89.98,13.97 ; DPS3.A01 89.17,14.78 ; DPS3.A01 88.36,13.97 ; DPS3.A01 89.17,13.16 ; 165.37,55.07 D103.A2 ; D103.A2 164.56,55.88 ; D103.A2 165.37,56.69 ; D103.A2 166.18,55.88 ; 192.5,391.16 D116.B5 ; D116.B5 193.31,391.97 ; D116.B5 193.31,390.35 ; D116.B5 194.12,391.16 ; CSDPS429.B10 33.29,343.71 ; CSDPS429.B10 32.48,342.9 ; CSDPS429.B10 34.1,342.9 ; CSDPS429.B10 33.29,342.09 ; D105.A2 239.84,96.52 ; D105.A2 238.22,96.52 ; D105.A2 239.03,95.71 ; D105.A2 239.03,97.33 ; D231.A13 25.67,376.73 ; D231.A13 26.48,375.92 ; D231.A13 25.67,375.11 ; D231.A13 24.86,375.92 ; D227.B13 100.14,370.84 ; D227.B13 98.52,370.84 ; D227.B13 99.33,371.65 ; D227.B13 99.33,370.03 ; D123.A14 122.19,56.69 ; D123.A14 121.38,55.88 ; D123.A14 122.19,55.07 ; D123.A14 123,55.88 ; D124.A5 100.14,33.02 ; D124.A5 99.33,33.83 ; D124.A5 98.52,33.02 ; D124.A5 99.33,32.21 ; 273.78,353.06 D110.A2 ; D110.A2 274.59,352.25 ; D110.A2 275.4,353.06 ; D110.A2 274.59,353.87 ; 45.18,410.21 DPS8.C05 ; DPS8.C05 45.99,411.02 ; DPS8.C05 45.99,409.4 ; DPS8.C05 46.8,410.21 ; 259.35,80.47 D106.B10 ; D106.B10 258.54,81.28 ; D106.B10 259.35,82.09 ; D106.B10 260.16,81.28 ; D110.B8 260.16,347.98 ; D110.B8 258.54,347.98 ; D110.B8 259.35,348.79 ; D110.B8 259.35,347.17 ; D103.A4 171.26,55.88 ; D103.A4 170.45,56.69 ; D103.A4 169.64,55.88 ; D103.A4 170.45,55.07 ; D123.B7 104.41,59.23 ; D123.B7 103.6,58.42 ; D123.B7 105.22,58.42 ; D123.B7 104.41,57.61 ; D114.B4 196.66,347.98 ; D114.B4 195.85,347.17 ; D114.B4 195.04,347.98 ; D114.B4 195.85,348.79 ; DPS8.C15 20.59,411.02 ; DPS8.C15 20.59,409.4 ; DPS8.C15 19.78,410.21 ; DPS8.C15 21.4,410.21 ; D121.A4 97.6,96.52 ; D121.A4 96.79,95.71 ; D121.A4 95.98,96.52 ; D121.A4 96.79,97.33 ; UHC230.G4_3 14.58,356.1 ; UHC230.G4_3 14.58,354.48 ; UHC230.G4_3 15.39,355.29 ; UHC230.G4_3 13.77,355.29 ; 20.59,411.94 DPS8.B15 ; DPS8.B15 20.59,413.56 ; DPS8.B15 19.78,412.75 ; DPS8.B15 21.4,412.75 ; 266.97,32.21 D108.A13 ; D108.A13 266.97,33.83 ; D108.A13 267.78,33.02 ; D108.A13 266.16,33.02 ; D431.A5 46.8,386.08 ; D431.A5 45.99,386.89 ; D431.A5 45.99,385.27 ; D431.A5 45.18,386.08 ; D105.A7 251.73,94.79 ; D105.A7 250.92,93.98 ; D105.A7 251.73,93.17 ; D105.A7 252.54,93.98 ; 93.44,38.1 D124.B3 ; D124.B3 94.25,38.91 ; D124.B3 94.25,37.29 ; D124.B3 95.06,38.1 ; 274.59,80.47 D106.B16 ; D106.B16 275.4,81.28 ; D106.B16 274.59,82.09 ; D106.B16 273.78,81.28 ; 164.56,327.66 D113.B16 ; D113.B16 165.37,326.85 ; D113.B16 165.37,328.47 ; D113.B16 166.18,327.66 ; D124.B16 127.27,41.45 ; D124.B16 128.08,40.64 ; D124.B16 126.46,40.64 ; D124.B16 127.27,39.83 ; 114.57,72.85 D122.A11 ; D122.A11 114.57,74.47 ; D122.A11 113.76,73.66 ; D122.A11 115.38,73.66 ; 174.72,388.62 D116.B12 ; D116.B12 175.53,389.43 ; D116.B12 176.34,388.62 ; D116.B12 175.53,387.81 ; 236.49,32.21 D108.A1 ; D108.A1 237.3,33.02 ; D108.A1 235.68,33.02 ; D108.A1 236.49,33.83 ; UHC430.G1_8 14.58,362.76 ; UHC430.G1_8 13.77,361.95 ; UHC430.G1_8 15.39,361.95 ; UHC430.G1_8 14.58,361.14 ; D114.A15 167.91,356.41 ; D114.A15 168.72,355.6 ; D114.A15 167.1,355.6 ; D114.A15 167.91,354.79 ; D108.B5 246.65,38.91 ; D108.B5 245.84,38.1 ; D108.B5 246.65,37.29 ; D108.B5 247.46,38.1 ; 17.22,360.2 UHC430.G1_9 ; UHC430.G1_9 18.03,359.39 ; UHC430.G1_9 18.84,360.2 ; UHC430.G1_9 18.03,361.01 ; D112.B15 241.57,391.97 ; D112.B15 240.76,391.16 ; D112.B15 241.57,390.35 ; D112.B15 242.38,391.16 ; 111.22,378.46 D427.B8 ; D427.B8 112.84,378.46 ; D427.B8 112.03,377.65 ; D427.B8 112.03,379.27 ; 40.91,405.59 D432.A7 ; D432.A7 41.72,406.4 ; D432.A7 40.1,406.4 ; D432.A7 40.91,407.21 ; 256,330.2 D109.B9 ; D109.B9 257.62,330.2 ; D109.B9 256.81,331.01 ; D109.B9 256.81,329.39 ; 45.18,38.1 D120.B13 ; D120.B13 45.99,37.29 ; D120.B13 46.8,38.1 ; D120.B13 45.99,38.91 ; D110.A16 239.84,353.06 ; D110.A16 238.22,353.06 ; D110.A16 239.03,353.87 ; D110.A16 239.03,352.25 ; D427.B14 97.6,378.46 ; D427.B14 96.79,379.27 ; D427.B14 95.98,378.46 ; D427.B14 96.79,377.65 ; D232.A16 18.05,394.51 ; D232.A16 18.86,393.7 ; D232.A16 18.05,392.89 ; D232.A16 17.24,393.7 ; D114.B10 180.61,348.79 ; D114.B10 181.42,347.98 ; D114.B10 179.8,347.98 ; D114.B10 180.61,347.17 ; D121.A14 122.19,97.33 ; D121.A14 122.19,95.71 ; D121.A14 121.38,96.52 ; D121.A14 123,96.52 ; 248.38,373.38 D111.A12 ; D111.A12 249.19,374.19 ; D111.A12 249.19,372.57 ; D111.A12 250,373.38 ; 174.72,353.06 D114.A12 ; D114.A12 175.53,353.87 ; D114.A12 176.34,353.06 ; D114.A12 175.53,352.25 ; D108.A2 239.03,36.37 ; D108.A2 239.84,35.56 ; D108.A2 238.22,35.56 ; D108.A2 239.03,34.75 ; 266.97,349.71 D110.B5 ; D110.B5 266.16,350.52 ; D110.B5 266.97,351.33 ; D110.B5 267.78,350.52 ; DPS2.A15 167.91,416.1 ; DPS2.A15 167.1,415.29 ; DPS2.A15 168.72,415.29 ; DPS2.A15 167.91,414.48 ; 13.77,351.79 UHC230.G4_8 ; UHC230.G4_8 15.39,351.79 ; UHC230.G4_8 14.58,350.98 ; UHC230.G4_8 14.58,352.6 ; 108.68,350.52 CSDPS226.C9 ; CSDPS226.C9 110.3,350.52 ; CSDPS226.C9 109.49,351.33 ; CSDPS226.C9 109.49,349.71 ; 243.3,353.06 D110.A14 ; D110.A14 244.92,353.06 ; D110.A14 244.11,352.25 ; D110.A14 244.11,353.87 ; D102.A8 180.61,77.01 ; D102.A8 180.61,75.39 ; D102.A8 181.42,76.2 ; D102.A8 179.8,76.2 ; 93.44,370.84 D227.B15 ; D227.B15 95.06,370.84 ; D227.B15 94.25,371.65 ; D227.B15 94.25,370.03 ; 18.05,34.75 D120.A2 ; D120.A2 18.05,36.37 ; D120.A2 17.24,35.56 ; D120.A2 18.86,35.56 ; D119.A9 35.83,54.15 ; D119.A9 36.64,53.34 ; D119.A9 35.02,53.34 ; D119.A9 35.83,52.53 ; D109.A4 270.32,332.74 ; D109.A4 268.7,332.74 ; D109.A4 269.51,333.55 ; D109.A4 269.51,331.93 ; 170.45,387.81 D116.B14 ; D116.B14 170.45,389.43 ; D116.B14 169.64,388.62 ; D116.B14 171.26,388.62 ; D227.B10 107.76,368.3 ; D227.B10 106.14,368.3 ; D227.B10 106.95,369.11 ; D227.B10 106.95,367.49 ; D431.B10 33.29,379.27 ; D431.B10 32.48,378.46 ; D431.B10 33.29,377.65 ; D431.B10 34.1,378.46 ; D101.A7 178.88,93.98 ; D101.A7 178.07,94.79 ; D101.A7 178.07,93.17 ; D101.A7 177.26,93.98 ; 192.5,355.6 D114.A5 ; D114.A5 194.12,355.6 ; D114.A5 193.31,356.41 ; D114.A5 193.31,354.79 ; D115.B2 200.93,369.11 ; D115.B2 200.93,367.49 ; D115.B2 201.74,368.3 ; D115.B2 200.12,368.3 ; D431.A9 35.83,386.89 ; D431.A9 36.64,386.08 ; D431.A9 35.02,386.08 ; D431.A9 35.83,385.27 ; 203.47,409.4 DPS2.C01 ; DPS2.C01 203.47,411.02 ; DPS2.C01 202.66,410.21 ; DPS2.C01 204.28,410.21 ; 20.59,52.53 D119.A3 ; D119.A3 19.78,53.34 ; D119.A3 21.4,53.34 ; D119.A3 20.59,54.15 ; D108.B2 239.03,41.45 ; D108.B2 238.22,40.64 ; D108.B2 239.84,40.64 ; D108.B2 239.03,39.83 ; D110.A10 255.08,353.06 ; D110.A10 253.46,353.06 ; D110.A10 254.27,352.25 ; D110.A10 254.27,353.87 ; 273.78,40.64 D108.B16 ; D108.B16 275.4,40.64 ; D108.B16 274.59,41.45 ; D108.B16 274.59,39.83 ; 169.64,332.74 D113.A14 ; D113.A14 171.26,332.74 ; D113.A14 170.45,331.93 ; D113.A14 170.45,333.55 ; 264.43,326.85 D109.B6 ; D109.B6 265.24,327.66 ; D109.B6 263.62,327.66 ; D109.B6 264.43,328.47 ; 27.4,60.96 D119.B6 ; D119.B6 29.02,60.96 ; D119.B6 28.21,60.15 ; D119.B6 28.21,61.77 ; 51.07,385.27 D431.A3 ; D431.A3 51.07,386.89 ; D431.A3 51.88,386.08 ; D431.A3 50.26,386.08 ; 122.19,387.81 D228.B4 ; D228.B4 122.19,389.43 ; D228.B4 121.38,388.62 ; D228.B4 123,388.62 ; 254.27,95.71 D105.A8 ; D105.A8 254.27,97.33 ; D105.A8 255.08,96.52 ; D105.A8 253.46,96.52 ; D432.B16 18.05,399.59 ; D432.B16 18.05,397.97 ; D432.B16 18.86,398.78 ; D432.B16 17.24,398.78 ; D111.B12 249.19,369.11 ; D111.B12 248.38,368.3 ; D111.B12 250,368.3 ; D111.B12 249.19,367.49 ; 17.24,373.38 D231.A16 ; D231.A16 18.05,374.19 ; D231.A16 18.86,373.38 ; D231.A16 18.05,372.57 ; 123.92,375.92 D227.A3 ; D227.A3 124.73,375.11 ; D227.A3 124.73,376.73 ; D227.A3 125.54,375.92 ; CSDPS225.C13 99.33,331.01 ; CSDPS225.C13 98.52,330.2 ; CSDPS225.C13 100.14,330.2 ; CSDPS225.C13 99.33,329.39 ; D428.A14 96.79,404.67 ; D428.A14 95.98,403.86 ; D428.A14 96.79,403.05 ; D428.A14 97.6,403.86 ; D122.A12 117.92,76.2 ; D122.A12 117.11,75.39 ; D122.A12 117.11,77.01 ; D122.A12 116.3,76.2 ; 249.19,392.89 D112.A12 ; D112.A12 249.19,394.51 ; D112.A12 250,393.7 ; D112.A12 248.38,393.7 ; D228.B13 100.14,391.16 ; D228.B13 99.33,390.35 ; D228.B13 99.33,391.97 ; D228.B13 98.52,391.16 ; 180.61,39.83 D104.B8 ; D104.B8 179.8,40.64 ; D104.B8 181.42,40.64 ; D104.B8 180.61,41.45 ; 240.76,350.52 D110.B15 ; D110.B15 241.57,349.71 ; D110.B15 241.57,351.33 ; D110.B15 242.38,350.52 ; D232.B13 26.48,391.16 ; D232.B13 25.67,390.35 ; D232.B13 24.86,391.16 ; D232.B13 25.67,391.97 ; 241.57,395.43 D112.A15 ; D112.A15 242.38,396.24 ; D112.A15 241.57,397.05 ; D112.A15 240.76,396.24 ; D113.B7 188.23,331.01 ; D113.B7 187.42,330.2 ; D113.B7 188.23,329.39 ; D113.B7 189.04,330.2 ; 118.84,93.98 D121.A13 ; D121.A13 119.65,93.17 ; D121.A13 119.65,94.79 ; D121.A13 120.46,93.98 ; D106.B9 257.62,78.74 ; D106.B9 256,78.74 ; D106.B9 256.81,77.93 ; D106.B9 256.81,79.55 ; 202.66,391.16 D116.B1 ; D116.B1 203.47,390.35 ; D116.B1 204.28,391.16 ; D116.B1 203.47,391.97 ; 42.64,388.62 D232.B6 ; D232.B6 44.26,388.62 ; D232.B6 43.45,387.81 ; D232.B6 43.45,389.43 ; D104.A2 165.37,36.37 ; D104.A2 165.37,34.75 ; D104.A2 166.18,35.56 ; D104.A2 164.56,35.56 ; D124.B2 91.71,41.45 ; D124.B2 91.71,39.83 ; D124.B2 90.9,40.64 ; D124.B2 92.52,40.64 ; D114.A9 183.96,355.6 ; D114.A9 183.15,356.41 ; D114.A9 182.34,355.6 ; D114.A9 183.15,354.79 ; CSDPS429.B8 38.37,343.71 ; CSDPS429.B8 37.56,342.9 ; CSDPS429.B8 39.18,342.9 ; CSDPS429.B8 38.37,342.09 ; 101.06,388.62 D228.B12 ; D228.B12 101.87,389.43 ; D228.B12 102.68,388.62 ; D228.B12 101.87,387.81 ; 195.04,101.6 D101.B14 ; D101.B14 195.85,102.41 ; D101.B14 195.85,100.79 ; D101.B14 196.66,101.6 ; 185.69,331.93 D113.A8 ; D113.A8 